# Altium PCB Copy of master.PcbDoc (part 5 of 7) (continued)
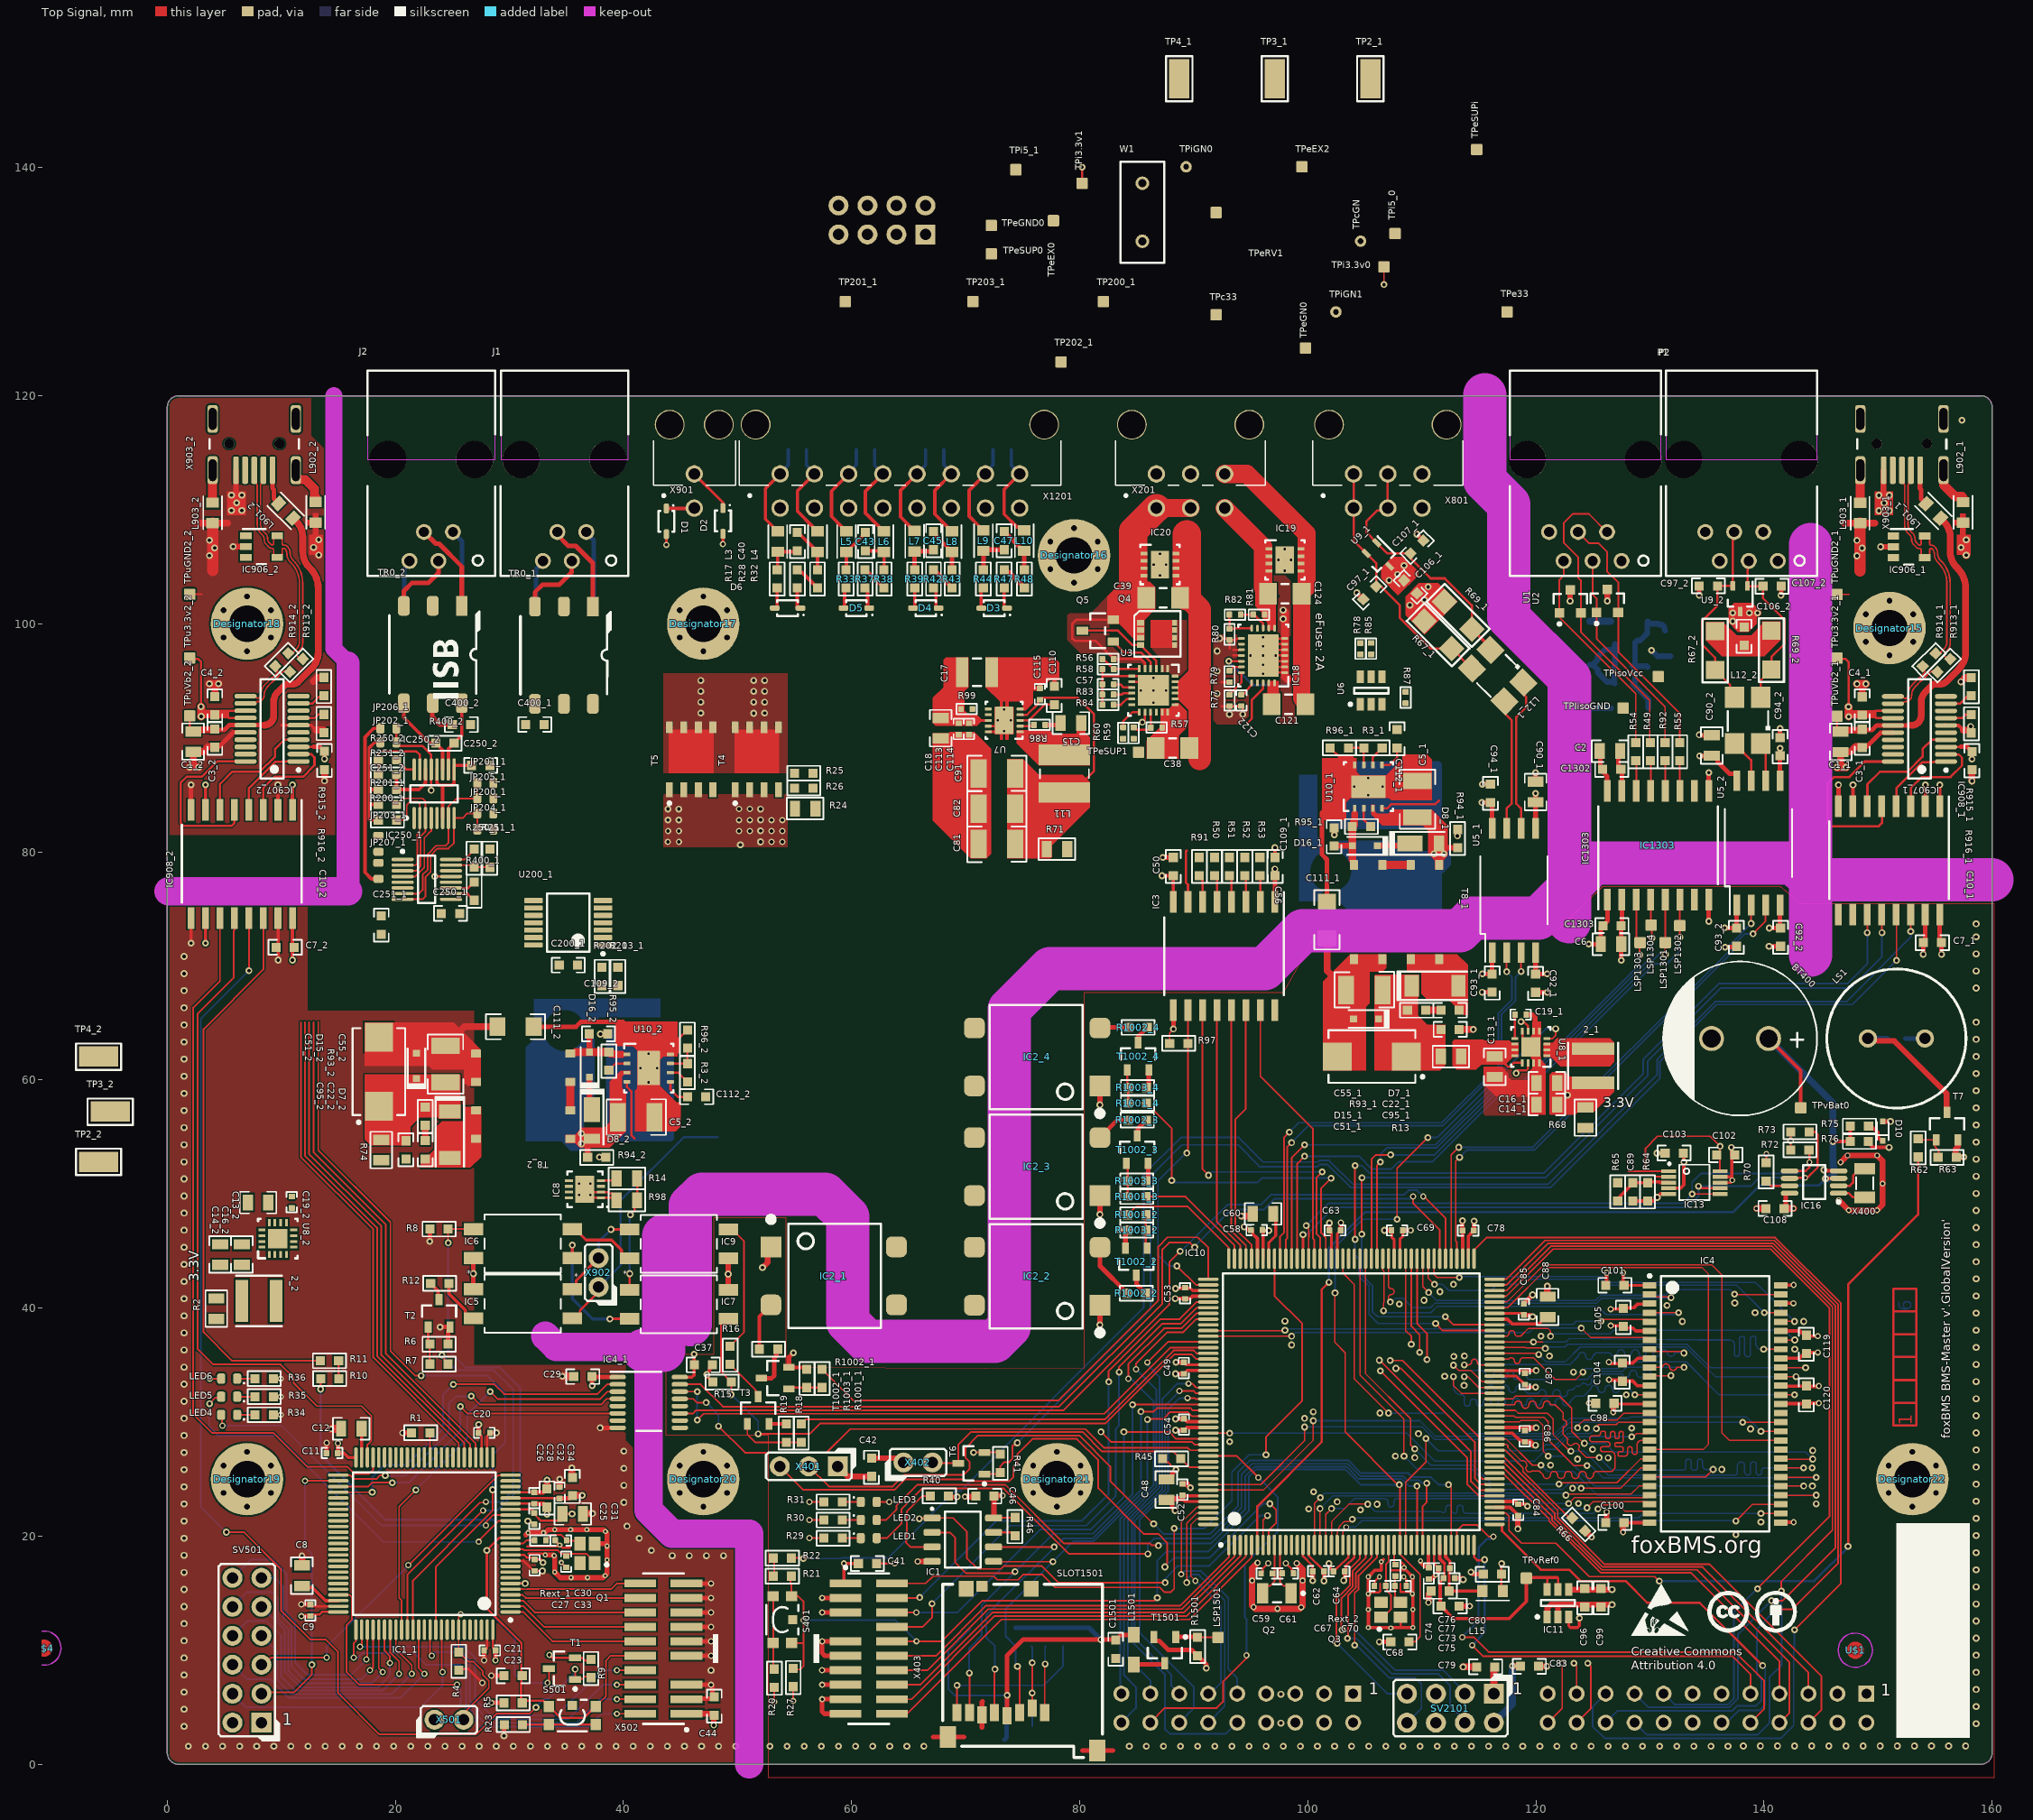
[diagram p0: Top Signal view]
## Nets (pads, with @x,y where several pads share a name; then routed paths per layer and width w, separated by ;. In a path a pad name is that pad's centre, name@x,y a point inside that pad or via, vN(x,y) a via of type N, cw(c..) or ccw(c..) an arc to the next point about the centre after c; other vN are vias at no path point) (continued)
FMC_MCU_0_RAM_SDNWE: IC4.16 IC10.32 | length 31.3
  Top Signal w0.12: IC10.32@108.573,19.234 108.573,24.727 110.349,26.504 v1(110.349,28.57) ; v1(125.298,29.439) 125.298,29.575 125.504,29.781 127.041,29.781 127.256,29.996 IC4.16@129.966,29.996
  Bottom Signal w0.12: v1@110.349,28.567 110.353,28.567 111.429,27.491 120.296,27.491 120.821,28.015 121.79,28.015 122.756,28.981 124.764,28.981 125.221,29.439 v1(125.298,29.439)
FTDI_MCU_0_DTR: IC908_1.13 R41.1 T6.1 | length 114.6
  Top Signal w0.152: T6.1@71.647,25.44 72.887,25.44 R41.1@73.037,25.59 73.037,26.148 73.373,26.485 73.803,26.485 74.098,26.78 74.098,27.91 74.187,28 74.344,28 v1(74.528,28.184) ; IC908_1.13@151.589,74.513 151.613,74.49 v1(151.613,70.485)
  Bottom Signal w0.152: v1(74.528,28.184) 86.205,39.86 86.205,51.55 88.971,54.316 93.889,54.316 95.812,52.394 100.825,52.394 101.019,52.588 101.734,52.588 103.732,50.59 121.304,50.59 130.874,60.16 130.874,61.641 135.851,66.617 147.745,66.617 v1(151.613,70.485)
FTDI_MCU_0_RTS: IC908_1.14 R22.2 | length 134
  Top Signal w0.152: R22.2@54.728,18.083 55.725,18.083 v1(55.769,18.039) ; R22.2@54.777,18.165 R22.2@54.894,18.282 ; v1(152.859,73.028) IC908_1.14@152.859,74.513
  Bottom Signal w0.152: v1(55.769,18.039) 59.081,18.039 59.127,18.085 63.201,18.085 66.442,21.325 66.442,21.357 69.032,23.947 69.523,23.947 85.61,40.034 85.61,51.7 88.863,54.953 93.942,54.953 96.084,52.811 100.886,52.811 101.02,52.946 101.87,52.946 103.973,50.843 121.032,50.843 130.622,60.432 130.622,61.793 135.699,66.87 147.219,66.87 152.859,72.51 v1(152.859,73.028)
FTDI_MCU_0_RX: IC10.80 IC908_1.12 | length 81.3
  Top Signal w0.152: v1(104.724,46.482) v1@104.724,51.344 ; v1(112.065,39.243) 112.774,38.534 IC10.80@116.372,38.534 ; IC908_1.12@150.319,74.513 150.319,72.935 v1(150.335,72.92)
  Bottom Signal w0.152: v1(104.724,46.482) 104.724,42.923 105.661,41.986 105.661,39.695 106.114,39.243 v1(112.065,39.243) ; v1(104.752,51.433) 120.85,51.433 129.811,60.393 129.811,61.663 136.206,68.058 147.582,68.058 150.335,70.811 v1(150.335,72.92)
FTDI_MCU_0_TX: IC10.79 IC908_1.11 | length 83
  Top Signal w0.152: v1(104.14,46.025) v1(104.14,52.494) ; v1(111.208,38.65) 111.825,38.034 IC10.79@116.372,38.034 ; v1(149.049,72.92) IC908_1.11@149.049,74.513
  Bottom Signal w0.152: v1(104.14,46.025) 104.14,44.649 104.472,44.317 104.472,42.818 105.371,41.919 105.371,39.452 106.172,38.65 v1(111.208,38.65) ; v1(104.14,52.494) 104.732,52.494 105.399,51.827 120.687,51.827 129.416,60.557 129.416,61.826 136.043,68.453 147.306,68.453 149.049,70.196 v1(149.049,72.92)
FTDI_MCU_1_DTR: IC908_2.13 R9.1 T1.1 | length 104.1
  Top Signal w0.152: v1@5.182,20.345 6.736,20.345 9.972,17.11 9.972,13.485 12.517,10.94 13.865,10.94 14.964,9.841 14.964,6.256 18.596,2.625 27.092,2.625 28.921,4.454 31.791,4.454 v1(32.324,4.987) ; v1(7.159,69.587) IC908_2.13@7.159,74.193 ; v1(35.758,8.335) T1.1@35.758,7.45 36.172,7.45 36.21,7.488 36.384,7.488 36.596,7.7 R9.1@37.148,7.7
  Bottom Signal w0.152: v1@5.182,20.345 2.93,22.597 2.93,65.358 v1(7.159,69.587) ; v1(32.324,4.987) 32.324,4.855 32.258,4.921 32.226,4.954 33.003,5.731 33.42,5.731 35.891,8.202 v1(35.758,8.335)
  other v1: 5.182,20.354
FTDI_MCU_1_RTS: IC908_2.14 R11.2 | length 49.8
  Top Signal w0.152: IC908_2.14@8.429,74.193 8.429,69.693 3.182,64.446 3.182,37.884 5.685,35.382 R11.2@13.417,35.382
FTDI_MCU_1_RX: IC1_1.48 IC908_2.12 | length 60.8
  Top Signal w0.152: IC908_2.12@5.889,74.193 5.889,73.142 5.838,73.091 5.838,68.996 2.647,65.805 2.647,36.449 4.037,35.059 9.928,35.059 11.084,33.903 11.084,33.429 13.106,31.407 17.027,31.407 17.892,30.542 17.892,28.375 17.543,28.025 IC1_1.48@17.543,26.904
FTDI_MCU_1_TX: IC1_1.47 IC908_2.11 | length 63.6
  Top Signal w0.152: IC908_2.11@4.619,74.193 4.619,68.693 2.273,66.347 2.273,36.5 2.273,30.698 3.929,29.042 9.315,29.042 12.254,26.104 15.766,26.104 16.409,25.46 17.7,25.46 18.042,25.803 IC1_1.47@18.042,26.904
GND_0: BT400.2 C6.2 C7_1.2 C13_1.2 C14_1.2 C16_1.2 C19_1.1 C37.1 C41.2 C42.2 C46.1 C48.2 C49.2 C51_1.2 C52.2 C53.2 C54.2 C55_1.2 C58.2 C59.1 C60.2 C61.2 C62.2 C63.2 C64.2 C67.1 C68.2 C69.2 C70.2 C73.2 C74.2 C75.2 C76.2 C77.2 C78.2 C79.2 C80.2 C83.1 C84.2 C85.2 C86.2 C87.2 C88.2 C89.1 C92_1.1 C92_2.1 C93_1.1 C93_2.1 C95_1.2 C96.2 C98.2 C99.2 C100.2 C101.2 C102.2 C103.1 C104.2 C105.2 C108.2 C111_1.1 C119.2 C120.2 C200_1.1 C250_1.1 C250_2.1 C251_1.1 C251_2.1 C400_1.1 C400_2.1 C1303.2 C1501.1 C1502.2 D15_1.2 IC1.4 IC3.9 IC4.6 IC4.12 IC4.28 IC4.41 IC4.46 IC4.52 IC4.54 IC4_1.9 IC10.14 IC10.22 IC10.37 IC10.48 IC10.61 IC10.71 IC10.90 IC10.102 IC10.113 IC10.126 IC10.135 IC10.148 IC10.158 IC11.1 IC11.2 IC13.5 IC13.8 IC13.9 IC16.4 IC250_1.14 IC250_2.14 IC908_1.9 IC908_1.15 IC1303.2 IC1303.8 JP204_1.1 JP205_1.1 JP206_1.1 JP207_1.1 JP2201.1 JP2201.3 JP2202.1 JP2202.3 Q3.2 R15.1 R19.2 R20.1 R29.1 R30.1 R31.1 R45.1 R63.1 R64.1 R66.1 R97.1 R251_1.1 R251_2.1 R1003_1.1 R1003_2.1 R1003_3.1 R1003_4.1 R1505.1 SLOT1501.6 SLOT1501.6_1 SLOT1501.SH SV2101.5 SV2101.6 T3.S T7.S T8_1.5 T8_1.6 T1002_1.S T1002_2.S T1002_3.S T1002_4.S TPiGN0.1 U5_1.4 U5_2.4 U8_1.5 U8_1.6 U8_1.8 U8_1.15 U8_1.16 U8_1.17 U200_1.7 X401.1 X403.3 X403.5 X403.9 X403.11 X403.13 X403.15 X403.17 X403.19 | length 255.8
  Top Signal w0.15: 106.335,15.863 106.335,15.238 106.358,15.214 ; 108.124,15.097 108.124,15.863
  Top Signal w0.152: v2(53.229,5.48) R20.1@53.229,6.694 ; v2(56.309,19.829) R29.1@57.523,19.829 ; v2(56.309,21.417) R30.1@57.523,21.417 ; v2(56.309,23.004) R31.1@57.523,23.004 ; R45.1@87.26,26.79 87.565,26.485 87.773,26.485 v1@88.442,25.816 ; R97.1@87.885,63.208 87.885,64.136 v1(88.218,64.469)
  Top Signal w0.2: C59.1@95.899,16.736 96.02,16.857 96.02,17.127 v6(96.528,17.635) ; v6(98.079,17.635) 98.605,17.109 98.605,16.881 C61.2@98.747,16.739 ; IC10.14@99.573,19.234 99.574,19.232 99.574,18.249 100.425,17.398 C62.2@100.425,16.924 ; C64.2@102.131,17.029 102.289,16.87 102.197,16.829 102.679,17.31 103.553,18.135 103.553,19.215 IC10.22@103.573,19.234 ; v3(105.308,14.94) 105.375,14.94 105.518,15.083 106.241,15.083 106.358,15.2 106.358,15.214 ; C67.1@105.839,15.634 105.901,15.696 105.901,16.066 v3(106.272,16.437) ; 107.351,17.006 108.437,17.006 ; Q3.2@108.124,12.893 108.124,12.004 108.144,11.985 ; 108.124,15.097 108.955,15.097 109.112,14.94 v3(109.179,14.94) ; 108.253,17.672 108.437,17.489 v3(108.437,17.257) 108.437,17.006 ; v3(108.403,16.437) 108.403,16.43 108.638,16.195 C70.2@108.638,15.634 ; 108.611,17.006 108.437,17.006 ; IC10.37@111.073,19.234 111.073,17.578 111.28,17.371 111.313,17.371 111.455,17.229 C76.2@111.455,17.196 ; C78.2@114.379,46.621 114.404,46.621 114.554,46.771 C78.2@114.554,46.796 ; U8_1.8@118.807,64.295 118.807,63.645 U8_1.17@119.557,62.895 ; IC13.8@136.163,50.986 137.074,50.986 137.215,51.127 v5(137.215,51.215)
  Top Signal w0.203: C41.2@62.239,17.607 v2(63.77,17.607)
  Top Signal w0.25: C49.2@89.086,35.239 89.292,35.034 IC10.148@91.273,35.034 ; IC10.113@102.573,44.334 102.573,46.502 C63.2@102.887,46.817 ; IC10.102@108.072,44.334 108.072,46.037 108.329,46.294 C69.2@108.329,46.817 C69.2@108.329,46.828 ; IC10.71@116.372,34.034 118.286,34.034 C87.2@119.024,33.296 ; C84.2@118.388,21.766 C84.2@118.388,21.886
  Top Signal w0.3: JP207_1.1@18.512,77.641 17.9,77.641 17.33,78.21 17.33,90.06 18.095,90.824 JP206_1.1@18.68,90.824 JP206_1.1@18.68,90.519 ; C251_2.1@20.08,85.459 20.104,85.483 R251_2.1@20.104,86.768 ; C251_2.1@20.104,85.459 22.061,85.459 22.643,86.041 IC250_2.14@22.643,87.219 ; C37.1@47.8,35.027 47.55,34.777 47.55,34.528 47.315,34.294 47.315,34.045 R15.1@47.841,33.519 ; T3.S@52.757,29.843 54.267,29.843 R19.2@54.27,29.84 ; T1002_1.S@54.5,34.803 54.7,34.803 55.898,34.803 R1003_1.1@56.069,34.631 ; v1(88.404,41.715) 88.42,41.731 89.703,41.731 89.9,41.534 IC10.135@91.273,41.534 ; C54.2@89.138,30.291 89.163,30.291 89.42,30.034 IC10.158@91.273,30.034 ; C58.2@95.975,46.802 v1(96.57,46.802) ; IC10.126@96.073,44.334 96.073,46.773 C58.2@96.127,46.828 ; v1(101.843,17.602) 101.925,17.52 101.925,17.234 C64.2@102.131,17.029 ; 106.63,17.956 v3(106.436,17.762) 106.436,17.006 105.876,17.006 v3(105.308,16.437) v3(105.308,14.94) v3(105.308,13.577) v3(105.308,11.985) 108.144,11.985 v3(109.216,11.985) v3(109.216,13.577) 109.216,14.863 109.179,14.9 v3(109.179,14.94) v3(109.179,16.437) 108.611,17.006 ; IC10.90@114.073,44.334 114.073,46.315 C78.2@114.379,46.621 ; IC10.48@116.372,22.534 117.741,22.534 C84.2@118.388,21.886 ; IC10.61@116.372,29.034 117.935,29.034 118.594,28.375 118.773,28.375 118.879,28.27 119.487,28.27 ; C87.2@119.024,33.296 119.249,33.071 v1(119.967,33.071) ; C101.2@126.195,41.996 v2(126.195,43.107) ; v2(126.409,33.713) 126.437,33.685 127.548,33.685 C104.2@127.575,33.713 ; v2(126.549,38.459) C105.2@127.66,38.459 ; C104.2@127.575,33.649 127.629,33.595 128.5,33.595 128.899,33.196 IC4.12@129.966,33.196 ; C105.2@127.742,38.449 127.935,38.257 128.482,38.257 128.744,37.996 IC4.6@129.966,37.996 ; C89.1@128.486,49.39 130.318,49.39 130.942,50.015 IC13.5@131.425,50.015 ; v1@130.725,53.608 130.7,53.583 v1(130.605,53.583) 130.611,53.589 C103.1@131.322,53.589 ; IC13.9@136.147,51.502 137.184,51.502 137.184,53.39 137.144,53.431 v1(137.144,54.09) ; IC4.41@141.466,31.596 141.501,31.63 143.677,31.63 143.711,31.664 v2(144.805,31.664) ; IC4.46@141.466,35.596 143.09,35.596 143.604,36.11 143.642,36.11 143.649,36.103 144.697,36.103 v2(144.704,36.11) ; IC4.28@141.501,21.23 141.518,21.213 142.578,21.213 v2(142.595,21.23) ; IC4.52@141.501,40.43 141.509,40.421 v2(142.578,40.421) ; IC4.54@141.501,42.03 141.518,42.013 142.578,42.013 v2(142.595,42.03) ; v1@145.46,52.034 IC16.4@146.565,52.034
  Top Signal w0.4: T1002_1.S@54.5,34.803 54.5,35.68 v1(54.901,36.08) ; T1002_1.S@54.7,34.803 T1002_1.S@54.8,34.703 ; v2(57.417,8.241) X403.13@59.462,8.241 ; v2(57.42,6.971) X403.15@59.465,6.971 ; v2(57.42,13.321) X403.5@59.465,13.321 ; v2(57.42,14.591) X403.3@59.465,14.591 ; X403.19@59.465,4.431 57.609,4.431 57.42,4.619 v2(57.42,5.701) X403.17@59.465,5.701 ; X403.11@59.465,9.511 57.651,9.511 57.417,9.745 57.417,10.778 v2(57.42,10.781) X403.9@59.465,10.781 ; 67.14,2.391 SLOT1501.SH@68.441,2.391 69.86,2.391 ; 71.431,3.221 SLOT1501.6@71.431,4.331 71.431,5.475 71.476,5.52 ; 80.22,1.191 SLOT1501.SH@81.541,1.191 82.908,1.191 ; v1(83.436,46.865) 83.436,46.838 R1003_2.1@84.204,46.838 ; T1002_2.S@84.01,45.269 T1002_2.S@84.01,45.469 ; T1002_2.S@84.11,45.569 T1002_2.S@84.01,45.469 ; R1003_2.1@84.144,46.777 84.01,46.644 T1002_2.S@84.01,45.469 ; R1003_2.1@84.304,46.712 R1003_2.1@84.304,46.812 ; R1003_3.1@85.705,51.15 R1003_3.1@85.705,51.25 ; R1003_3.1@85.805,51.15 85.999,51.344 T1002_3.S@85.999,52.494 ; R1003_4.1@85.864,59.334 86.058,59.528 T1002_4.S@86.058,60.678 ; T1002_3.S@85.899,52.394 T1002_3.S@85.999,52.494 ; T1002_4.S@85.958,60.578 T1002_4.S@86.058,60.678 ; T1002_3.S@85.999,52.694 T1002_3.S@85.999,52.494 ; T1002_4.S@86.058,60.878 T1002_4.S@86.058,60.678 ; C48.2@87.605,24.979 87.855,24.979 88.105,25.229 88.105,25.479 88.442,25.816 v1(88.442,25.821) v1@88.442,25.826 ; v1(88.218,64.469) IC3.9@88.218,66.111 ; v1(88.404,30.284) 88.411,30.291 C54.2@89.138,30.291 ; v1(88.442,35.239) C49.2@89.086,35.239 ; v1@100.425,16.121 C62.2@100.425,16.924 ; C63.2@102.887,46.817 102.892,46.822 102.892,47.494 v2(102.897,47.499) ; v1(106.273,10.729) 106.275,10.728 C68.2@107.272,10.728 ; C69.2@108.329,46.817 v2(109.017,46.817) ; C74.2@110.637,16.236 110.687,16.286 110.897,16.286 111.413,16.802 111.413,17.146 C76.2@111.463,17.196 ; C77.2@112.895,16.307 v1@113.589,16.307 ; v1(114.299,16.857) 114.494,16.662 C80.2@115.38,16.662 ; C78.2@114.554,46.796 114.575,46.817 v1(114.575,47.625) ; v1(115.286,67.699) C93_1.1@116.159,67.699 ; C85.2@118.941,40.393 v1@119.708,41.161 ; C19_1.1@119.163,65.733 119.693,65.733 119.927,65.498 119.927,64.743 ; U5_1.4@119.969,71.165 C92_1.1@119.969,69.283 119.985,69.299 v1(120.989,69.299) ; v1@127.472,70.485 127.482,70.495 C6.2@127.482,71.907 127.472,71.918 C1303.2@127.472,73.528 127.531,73.588 IC1303.2@127.531,75.833 ; v1(135.151,73.918) IC1303.8@135.151,75.833 ; v1(136.581,71.649) 137.508,71.649 C93_2.1@137.579,71.72 ; v1@140.442,73.337 v1(140.459,73.32) C92_2.1@141.452,73.32 141.407,73.365 U5_2.4@141.407,75.333 ; v1(153.962,71.018) C7_1.2@153.962,72.049 154.129,72.216 IC908_1.15@154.129,74.513
  Top Signal w0.5: X401.1@58.782,26.12 59.662,25.24 C42.2@61.747,25.24 ; v2(65.786,17.789) IC1.4@67.015,17.789 ; v2(69.931,23.462) 70.913,23.462 C46.1@70.966,23.515 ; C52.2@89.002,24.579 89.39,24.579 v1(89.712,24.257) ; v2(110.583,14.178) 110.583,14.965 C73.2@110.637,15.018 ; C75.2@113.271,13.868 v2@114.173,13.868 ; v1(118.413,20.635) 118.413,21.582 C84.2@118.413,21.61 ; C86.2@119.024,28.27 119.487,28.27 119.779,27.978 v1(119.967,27.978) ; C83.1@120.155,8.697 120.155,8.597 v1(120.949,8.597) ; IC11.1@120.979,12.932 121.01,12.962 121.01,13.699 121.302,13.992 121.929,13.992 ; IC11.2@121.929,12.932 121.929,13.992 ; R66.1@124.313,20.468 v2(124.877,19.904) ; v2(124.668,31.664) 125.31,31.664 C98.2@125.329,31.644 ; C100.2@126.195,21.196 v2(126.195,22.14) ; v1(126.676,13.992) 121.929,13.992 ; v5(146.546,49.466) v5(147.426,48.586) v5(149.906,48.586) 150.386,49.066 v5(150.386,50.906) 150.386,52.906 v5(149.906,53.386) 147.316,53.386 v5(146.71,52.781) ; R63.1@156.755,53.211 R63.1@156.789,53.245 ; T7.S@157.005,54.755 157.005,54.153 156.789,53.936 R63.1@156.789,53.245 ; v1@157.503,53.245 R63.1@156.789,53.245
  Top Signal w0.55: v6(95.598,17.672) 95.108,17.182 95.108,13.914 95.381,13.641 99.301,13.641 99.537,13.877 v6(99.537,16.104) 99.537,17.115 v6(99.018,17.635)
  Top Signal w0.6: v1(94.161,48.064) 94.164,48.067 95.013,48.067 95.163,48.217 C60.2@95.163,48.26 ; C111_1.1@101.676,72.441 101.676,69.577 102.406,68.846 102.956,68.846 103.356,68.446 C55_1.2@103.356,67.896 ; C95_1.2@113.277,64.433 v1(114.504,64.433) ; v1(113.618,8.534) C79.2@114.87,8.534 ; C88.2@120.992,41.115 v1(120.992,41.924) ; v5(139.337,48.73) C108.2@140.162,48.73
  other v1: 84.343,1.575 85.843,1.575 87.343,1.575 88.843,1.575 90.343,1.575 91.843,1.575 93.343,1.575 94.843,1.575 96.343,1.575 97.843,1.575 99.343,1.575 100.843,1.575 102.343,1.575 103.843,1.575 105.343,1.575 106.843,1.575 108.343,1.575 109.843,1.575 111.343,1.575 112.843,1.575 114.343,1.575 115.843,1.575 117.343,1.575 118.843,1.575 120.343,1.575 121.843,1.575 123.343,1.575 124.843,1.575 126.343,1.575 127.843,1.575 129.343,1.575 130.843,1.575 132.343,1.575 133.843,1.575 135.343,1.575 136.843,1.575 138.183,1.6 139.683,1.6 141.183,1.6 142.683,1.6 144.183,1.6 145.683,1.6 147.183,1.6 148.683,1.6 150.183,1.6 151.683,1.6 153.183,1.6 154.683,1.6 156.183,1.6 157.683,1.6 158.6,3.558 158.6,5.058 158.6,6.558 158.6,8.058 158.6,9.558 158.6,11.058 158.6,12.558 158.6,14.058 158.6,15.558 100.432,16.104 113.618,16.195 158.6,17.058 158.6,18.558 158.6,20.058 137.528,20.139 139.725,21.239 158.6,21.558 104.618,22.307 100.081,22.395 106.07,22.809 144.577,22.839 123.735,22.86 102.576,23.009 158.6,23.058 100.501,23.888 123.22,24.198 144.239,24.396 158.6,24.558 136.291,25.849 144.222,25.993 158.6,26.058 121.285,26.228 123.65,26.759 109.379,26.889 107.68,27.017 144.272,27.516 158.6,27.558 124.964,27.612 93.142,28.284 109.703,28.981 158.6,29.058 138.816,29.413 124.426,29.476 128.394,29.476 99.72,30.334 158.6,30.558 106.316,30.796 100.482,30.912 158.6,32.058 127.92,32.402 113.697,33.22 158.6,33.558 111.999,34.014 47.315,34.169 123.293,34.388 158.6,35.058 112.793,35.765 121.186,35.794 142.697,36.396 158.6,36.558 98.582,36.772 120.451,37.542 158.6,38.058 132.839,38.828 143.482,38.828 97.993,38.862 158.6,39.558 139.213,39.596 131.496,40.224 108.03,40.357 137.436,40.447 110.185,40.686 158.6,41.058 119.709,41.159 111.577,41.44 112.774,42.078 158.6,42.558 158.6,44.058 158.6,45.558 158.6,47.058 158.6,48.558 130.63,49.703 158.6,50.058 158.6,51.558 145.263,52.121 158.6,53.058 157.503,53.247 158.6,54.558 158.6,56.058 158.6,57.558 158.6,59.058 158.6,60.558 158.6,62.058 158.6,63.558 158.6,65.058 158.6,68.058 158.6,69.558 127.477,70.49 158.6,71.058 158.6,72.558 158.6,73.686
  other v2: 114.198,13.868
  other v3: 107.283,11.949 111.208,16.597
  other v5: 147.32,53.386
  other v6: 97.341,13.641 95.245,13.778 99.419,13.759 95.123,16.104
  other v7: 97.638,3.613 97.638,6.145
GND_1: C7_2.2 C8.2 C9.2 C11.2 C12.2 C13_2.2 C14_2.2 C16_2.2 C19_2.1 C20.2 C21.2 C23.2 C25.2 C26.2 C27.2 C28.2 C29.2 C30.2 C31.2 C32.2 C33.1 C34.2 C44.2 C51_2.2 C55_2.2 C95_2.2 C111_2.1 C200_2.1 C250_3.1 C250_4.1 C251_3.1 C251_4.1 C400_3.1 C400_4.1 D15_2.2 IC1_1.10 IC1_1.20 IC1_1.27 IC1_1.74 IC1_1.99 IC4_1.8 IC250_3.14 IC250_4.14 IC908_2.9 IC908_2.15 JP204_2.1 JP205_2.1 JP206_2.1 JP207_2.1 Q1.2 R1.1 R4.1 R6.2 R8.1 R23.1 R34.1 R35.1 R36.2 R251_3.1 R251_4.1 SV501.2 T2.S T8_2.5 T8_2.6 TPiGN1.1 U8_2.5 U8_2.6 U8_2.8 U8_2.15 U8_2.16 U8_2.17 U200_2.7 X502.3 X502.5 X502.9 X502.11 X502.13 X502.15 X502.17 X502.19 | length 90.5
  Top Signal w0.2: C9.2@12.552,14.013 12.712,13.854 IC1_1.74@14.993,13.854 ; IC1_1.27@28.043,26.904 28.043,28.793 28.287,29.038 C20.2@28.287,29.063 ; R23.1@29.521,3.451 R23.1@29.543,3.473 ; IC1_1.10@30.092,17.854 31.236,17.854 C27.2@32.104,16.986 ; IC1_1.20@30.092,22.854 32.175,22.854 C26.2@32.186,22.843 ; 31.544,19.103 34.233,19.103 34.353,19.223 v3@34.416,19.223 ; v1(31.617,21.317) 31.781,21.153 32.078,21.153 C25.2@32.186,21.045 ; 31.671,18.474 v3@33.228,18.474 ; C27.2@32.206,16.957 32.889,16.957 v1@32.895,16.952 ; C28.2@32.992,22.843 C28.2@33.284,22.551 v1(33.284,21.926) ; C30.2@34.015,19.628 34.015,19.603 34.165,19.453 34.19,19.453 34.416,19.227 v3@34.416,19.223 ; v1@34.392,24.988 v1(34.402,24.999) ; v3@34.413,19.22 34.416,19.218 v3@34.416,19.223 ; v3@34.597,17.607 34.791,17.412 34.826,17.412 C33.1@34.976,17.262 ; 35.304,18.971 34.672,18.971 v3(34.42,19.223) v3@34.416,19.223 ; v1(35.476,25.998) v1@35.484,25.99
  Top Signal w0.203: R4.1@25.559,8.335 26.418,8.335 v2(27.622,7.13) ; C21.2@27.681,10.113 C21.2@27.781,10.013 ; C21.2@27.975,10.113 28.043,10.18 IC1_1.99@28.043,11.804
  Top Signal w0.3: v1(2.079,71.999) IC908_2.9@2.079,74.193 ; IC908_2.15@9.699,74.193 9.724,74.168 v1(9.724,70.51)
  Top Signal w0.305: R34.1@9.19,30.643 v2(9.931,30.643) ; R35.1@9.19,32.23 v2(9.931,32.23) ; R36.2@9.19,33.818 v2(9.931,33.818)
  Top Signal w0.4: v2(11.759,14.013) C9.2@12.552,14.013 ; C11.2@13.96,27.327 v2(13.96,28.192) ; v1@23.012,45.84 23.025,45.852 R8.1@23.025,46.93 ; v1(23.925,38.337) T2.S@24.775,38.337 24.775,38.137 24.625,37.987 R6.2@24.625,36.838 ; v2(27.781,9.111) C21.2@27.781,10.013 ; C20.2@28.287,29.063 28.856,29.063 v1(28.858,29.065) ; v2(28.416,7.765) C23.2@29.471,7.765 ; v1(29.521,2.486) R23.1@29.521,3.451 ; C26.2@32.186,22.843 C28.2@32.992,22.843 ; v1@37.945,29.494 37.953,29.502 IC4_1.8@39.49,29.502 ; X502.5@45.535,6.97 v2(47.675,6.97) 47.798,6.847 47.798,5.986 47.954,5.83 47.867,5.743 46.108,5.743 X502.3@46.065,5.7 ; X502.9@45.535,9.51 v2(47.675,9.51) ; X502.11@45.535,10.78 v2(47.675,10.78) ; X502.13@45.535,12.05 v2(47.675,12.05) ; X502.15@45.535,13.32 v2(47.675,13.32) ; X502.17@45.535,14.59 v2(47.675,14.59) ; X502.19@45.535,15.86 v2(47.675,15.86)
  Top Signal w0.45: 31.445,20.12 v3(31.634,20.308) v3(32.994,20.308) 33.122,20.308 33.384,20.57 v3(36.79,20.57) 38.269,20.57 38.565,20.274 38.565,19.381 ; v3(33.148,18.354) 33.858,18.354 33.972,18.239 v3(33.972,16.855) 34.462,16.365 v3(36.84,16.365) 38.199,16.365 38.565,16.731 v3(38.565,19.134) 38.565,19.381 ; Q1.2@37.473,19.344 38.528,19.344 38.565,19.381
  Top Signal w0.5: C8.2@11.811,17.382 C8.2@11.811,17.558 ; v2(20.61,29.063) R1.1@21.182,29.063
  Top Signal w0.6: C8.2@11.811,17.558 v2@11.811,18.279 ; C55_2.2@24.389,62.993 24.939,62.993 25.339,63.393 25.339,63.943 26.069,64.673 C111_2.1@28.933,64.673 ; C32.2@34.392,24.333 v1@34.392,24.988 ; C34.2@35.484,25.179 v1@35.484,25.99 ; C31.2@36.435,21.979 v1(37.269,21.979)
  Top Signal w0.7: v2(14.35,29.4) 15.206,29.4 C12.2@15.234,29.428 ; v1(34.64,34.022) 35.608,34.022 C29.2@35.633,33.997
  other v1: 1.843,1.575 3.343,1.575 4.843,1.575 6.343,1.575 7.843,1.575 9.343,1.575 10.843,1.575 12.343,1.575 13.843,1.575 15.343,1.575 16.843,1.575 18.343,1.575 19.843,1.575 21.343,1.575 22.843,1.575 24.343,1.575 25.843,1.575 27.343,1.575 28.843,1.575 30.343,1.575 31.843,1.575 33.343,1.575 34.843,1.575 36.343,1.575 37.843,1.575 39.343,1.575 40.843,1.575 42.343,1.575 43.843,1.575 45.343,1.575 46.843,1.575 48.343,1.575 49.843,1.575 52.843,1.575 54.343,1.575 55.843,1.575 57.343,1.575 58.843,1.575 60.343,1.575 61.843,1.575 63.343,1.575 64.843,1.575 66.343,1.575 1.473,3.327 1.473,4.827 1.473,6.327 1.473,7.827 47.675,8.24 1.473,9.327 1.473,10.827 1.473,12.327 1.473,13.827 1.473,15.327 1.473,16.827 32.892,16.955 44.272,18.288 45.771,18.288 47.269,18.288 48.768,18.288 1.473,18.327 42.443,18.745 41.377,19.812 1.473,19.827 40.31,20.879 1.473,21.327 1.473,22.827 40.03,22.962 1.473,24.327 40.03,24.46 1.473,25.827 40.03,25.959 1.473,27.327 40.03,27.457 1.473,28.827 37.949,29.498 1.473,30.327 1.473,31.827 1.473,33.327 1.473,34.827 1.473,36.327 1.473,37.827 1.473,39.327 1.473,40.827 1.473,42.327 1.473,43.827 1.473,45.327 23.019,45.846 1.473,46.827 1.473,48.327 1.473,49.827 1.473,51.327 1.473,52.827 1.473,54.327 1.473,55.827 1.473,57.327 1.473,58.827 1.473,60.327 1.473,61.827 1.473,63.327 1.473,64.827 1.473,66.327 1.473,67.827 1.473,69.327 1.473,70.827
  other v2: 11.811,18.279
  other v3: 35.411,16.365 38.382,16.548 34.546,17.696 38.565,17.933 33.915,18.296 38.417,20.422 33.972,20.57 35.368,20.57
GND_COM: C2.2 C65.1 C66.1 C71.1 C90_2.2 C94_2.1 C97_2.2 C106_2.2 C107_2.2 C1302.2 D13.1 IC1303.9 IC1303.15 L14.5 P1.2 P2.1 TPcGN.1 TPIisoGND.1 U1.3 U2.3 U5_2.5 U9_2.3 | length 25.3
  Top Signal w0.4: U2.3@126.261,102.996 U2.3@126.418,102.839 ; C2.2@127.187,88.838 127.239,88.786 127.239,87.238 127.531,86.946 IC1303.15@127.531,85.333 ; v1(134.319,90.258) 134.347,90.23 C90_2.2@135.419,90.23 ; v7(134.319,102.504) C97_2.2@134.319,103.318 ; IC1303.9@135.151,85.333 v1(135.151,86.946) ; U5_2.5@141.407,86.233 C94_2.1@141.407,88.425 v1(141.407,89.08) ; v1(141.479,102.504) 141.504,102.529 C107_2.2@141.504,103.298
  Top Signal w0.5: v1(122.998,101.996) 122.998,102.958 U1.3@123,102.96 ; v1@126.253,101.996 v1(126.257,102) 126.261,102.004 U2.3@126.261,102.996
  Top Signal w0.7: v1(138.708,100.96) v1(139.434,100.96)
  Bottom Signal w0.5: L14.5@124.724,96.412 L14.5@124.974,96.412 ; C71.1@126.886,98.082 C71.1@126.886,97.923 ; C65.1@126.887,94.761 C65.1@126.87,94.778 ; C71.1@126.942,98.212 C71.1@126.942,97.776 ; C71.1@127.086,97.632 C71.1@126.942,97.776 ; v1(130.143,97.675) 130.653,97.165 D13.1@131.793,97.165 ; L14.5@124.974,96.412 125.424,95.962 125.424,95.712 126.226,94.911 126.737,94.911 C65.1@126.87,94.778 ; L14.5@124.974,96.412 125.424,96.862 125.424,97.112 126.035,97.723 126.686,97.723 C71.1@126.886,97.923 ; C65.1@126.87,94.778 C66.1@126.87,96.296 126.942,96.368 C71.1@126.942,97.776 ; C71.1@126.886,97.923 126.886,97.832 C71.1@126.942,97.776
  other v1: 137.258,100.222
  other v7: 137.258,100.96
GPIO.RTC_INT#: IC16.7 R70.1 | length 2.2
  Top Signal w0.2: R70.1@140.179,51.142 140.597,50.724 IC16.7@142.24,50.724
GPIO_MCU_1_0: IC1_1.83 SV501.7 | length 21.8
  Top Signal w0.152: IC1_1.83@20.042,11.604 20.042,10.106 21.431,8.718 v2(21.431,7.924)
  Bottom Signal w0.152: SV501.7@8.255,11.27 8.266,11.27 9.675,9.862 9.675,7.359 10.896,6.138 19.645,6.138 v2(21.431,7.924)
GPIO_MCU_1_1: IC1_1.82 SV501.8 | length 24.4
  Top Signal w0.152: IC1_1.82@19.543,11.604 19.543,9.813 20.32,9.035 v2(20.32,7.924)
  Bottom Signal w0.152: SV501.8@5.715,11.27 7.015,12.57 8.691,12.57 9.982,11.278 9.982,7.675 11.204,6.454 18.85,6.454 v2(20.32,7.924)
GPIO_MCU_1_2: IC1_1.81 SV501.9 | length 21
  Top Signal w0.152: IC1_1.81@19.042,11.804 19.042,9.953 19.526,9.47 v2(19.526,8.876)
  Bottom Signal w0.152: SV501.9@8.255,13.81 10.294,11.771 10.294,8.104 11.647,6.751 18.503,6.751 19.526,7.775 v2(19.526,8.876)
GPIO_MCU_1_3: IC1_1.80 SV501.10 | length 24.3
  Top Signal w0.152: IC1_1.80@18.543,11.604 18.543,8.431 v2(18.891,8.083)
  Bottom Signal w0.152: SV501.10@5.715,13.81 7.009,15.104 9.19,15.104 9.698,14.595 9.698,12.761 10.618,11.842 10.618,8.206 11.738,7.085 17.894,7.085 v2(18.891,8.083)
GPIO_MCU_1_4: IC1_1.79 SV501.11 | length 21.1
  Top Signal w0.152: 18.042,8.455 v2(17.78,8.241) 18.042,8.504 IC1_1.79@18.042,11.604
  Bottom Signal w0.152: SV501.11@8.255,16.35 9.426,16.35 10.172,15.604 10.172,12.839 10.896,12.115 10.896,8.542 11.989,7.45 16.989,7.45 v2(17.78,8.241)
GPIO_MCU_1_5: IC1_1.78 SV501.12 | length 23.7
  Top Signal w0.152: v2(17.462,9.194) 17.543,9.274 IC1_1.78@17.543,11.604
  Bottom Signal w0.152: SV501.12@5.715,16.35 7.297,17.932 9.232,17.932 10.465,16.699 10.465,13.238 11.204,12.499 11.204,8.905 12.244,7.865 16.134,7.865 v2(17.462,9.194)
HSE_1_MCU_0: C67.2 IC10.29 Q3.1 | length 7.1
  Top Signal w0.152: Q3.1@106.424,12.893 106.824,13.293 107,13.293 107.283,13.577 107.283,14.863 106.932,15.214 106.932,15.541 106.839,15.634 106.839,17.531 107.072,17.764 IC10.29@107.072,19.234
HSE_1_MCU_1: C33.2 IC1_1.12 Q1.1 | length 7.9
  Top Signal w0.152: IC1_1.12@30.092,18.854 31.183,18.854 31.255,18.782 34.212,18.782 34.523,18.471 36.755,18.471 37.049,18.177 37.049,18.068 Q1.1@37.473,17.644
HSE_2_MCU_0: IC10.30 Rext_2.1 | length 1.8
  Top Signal w0.152: IC10.30@107.56,19.221 IC10.30@107.573,19.234 107.573,17.588 Rext_2.1@107.681,17.48
HSE_2_MCU_1: IC1_1.13 Rext_1.1 | length 2.2
  Top Signal w0.152: IC1_1.13@30.092,19.354 31.209,19.354 31.483,19.628 Rext_1.1@32.201,19.628
I2C3.SCL: IC10.119 IC13.7 IC16.6 R73.1 | length 57.4
  Top Signal w0.2: IC10.119@99.573,44.334 99.573,45.335 99.577,45.34 v1(99.577,46.438) ; v1(134.255,50.691) 134.255,50.564 134.317,50.502 IC13.7@136.147,50.502 ; IC16.6@142.24,51.374 142.291,51.425 v5(143.606,51.425) 143.682,51.425 143.733,51.374 144.697,52.338 144.697,55.193 144.442,55.448 R73.1@143.946,55.448
  Bottom Signal w0.152: v1(99.577,46.438) 99.635,46.496 99.962,46.496 102.307,48.841 133.273,48.841 133.907,49.476 133.915,49.476 134.255,49.816 v1(134.255,50.691) 138.829,50.691 139.589,51.45 v5@143.606,51.45
I2C3.SDA: IC10.118 IC13.6 IC16.5 R72.1 | length 55.9
  Top Signal w0.15: v1(99.865,47.238) 100.072,47.03 100.072,46.652 100.079,46.646 100.079,46.23 100.072,46.223 IC10.118@100.072,44.334 ; v1(133.697,50.003) IC13.6@136.147,50.002
  Top Signal w0.2: IC16.5@142.24,52.024 143.665,52.024 143.987,52.346 v5(143.987,52.784) 143.987,53.823 R72.1@143.943,53.867
  Bottom Signal w0.15: v1(99.865,47.238) 101.828,49.201 132.895,49.201 v1(133.697,50.003) 133.697,51.04 134.456,51.799 142.939,51.799 v5@143.956,52.816
INTERLOCK_CONTROL_MCU_0: IC10.146 R18.2 | length 38.3
  Top Signal w0.152: R18.2@55.591,29.84 55.989,30.238 82.192,30.238 88.234,36.281 89.998,36.281 90.246,36.034 IC10.146@91.072,36.034
INTERLOCK_CONTROL_MCU_1: IC1_1.85 R7.2 | length 34.5
  Top Signal w0.152: IC1_1.85@21.042,11.804 21.042,16.598 27.389,22.944 27.864,22.944 v2(27.94,23.02) ; v1(24.075,35.869) 24.089,35.869 24.301,35.657 24.301,35.415 R7.2@24.625,35.092
  Bottom Signal w0.152: v1(24.075,35.869) 24.089,35.869 25.411,34.547 28.642,34.547 30.331,32.858 30.331,24.004 29.347,23.02 v2(27.94,23.02)
INTERLOCK_FEEDBACK_MCU_0: IC7.3 IC10.147 R15.2 | length 54.1
  Top Signal w0.152: IC7.3@49.181,39.062 49.001,39.062 48.557,38.618 48.557,34.404 R15.2@49.441,33.519 v1(49.441,32.42) ; v1(51.807,28.968) 56.329,28.968 57.258,29.897 82.252,29.897 88.283,35.928 89.822,35.928 90.216,35.534 IC10.147@91.072,35.534
  Bottom Signal w0.152: v1(49.441,32.42) 51.807,30.054 v1(51.807,28.968)